# Altium PCB 10515.0500_Display_System（6拼版）_V1.0_20200907.PcbDoc (part 12 of 13) (continued)
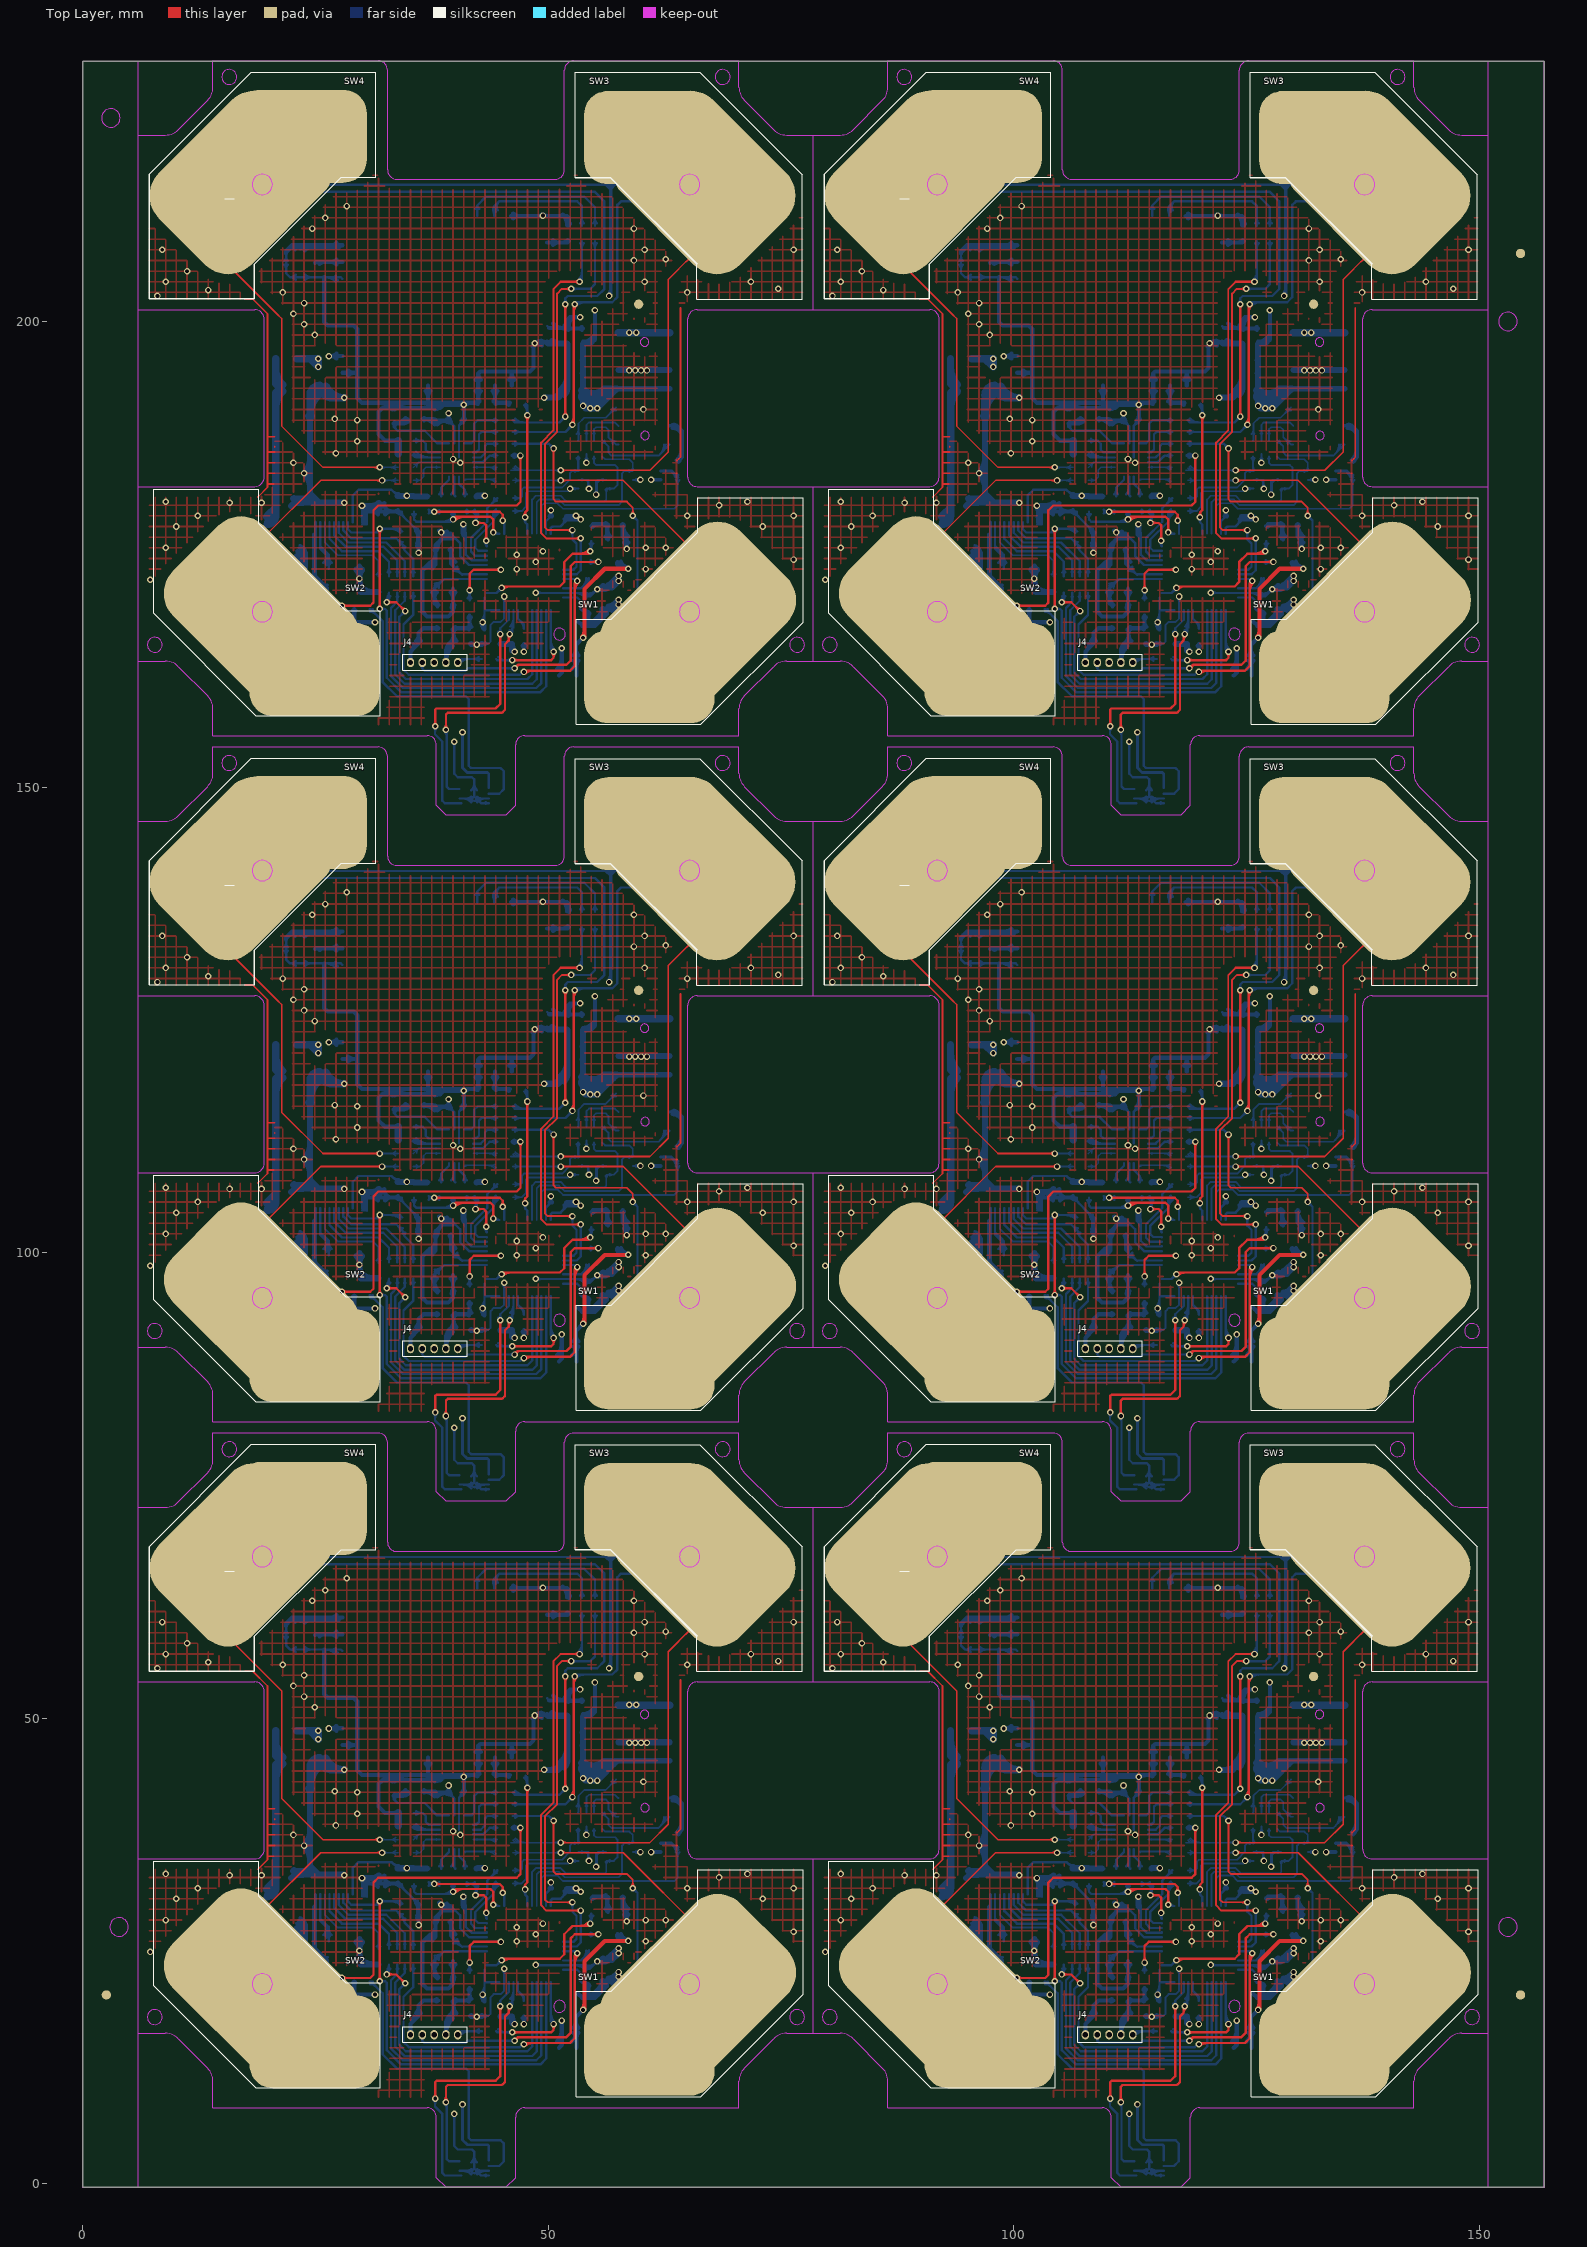
[diagram p0: Top Layer view]
## Nets (pads, with @x,y where several pads share a name; then routed paths per layer and width w, separated by ;. In a path a pad name is that pad's centre, name@x,y a point inside that pad or via, vN(x,y) a via of type N, cw(c..) or ccw(c..) an arc to the next point about the centre after c; other vN are vias at no path point) (continued)
; 56.307,97.737 v1(57.567,98.997) v1(57.567,98.465) ; 56.307,97.737 56.839,97.737 v1(57.567,98.465) ; 56.307,171.437 v1(57.567,172.697) v1(57.567,172.165) ; 56.307,171.437 56.839,171.437 v1(57.567,172.165) ; 96.158,33.147 96.603,33.591 ; 96.158,106.847 96.603,107.291 ; 96.158,180.547 96.603,180.991 ; 126.247,44.841 126.247,44.025 127.102,44.025 ; 126.247,118.541 126.247,117.725 127.102,117.725 ; 126.247,192.241 126.247,191.425 127.102,191.425 ; 127.102,44.025 128.495,45.418 ; 127.102,117.725 128.495,119.118 ; 127.102,191.425 128.495,192.818 ; 127.4,43.561 129.257,45.418 128.495,45.418 ; 127.4,117.261 129.257,119.118 128.495,119.118 ; 127.4,190.961 129.257,192.818 128.495,192.818 ; 128.807,24.037 v1(130.067,25.297) v1(130.067,24.765) ; 128.807,24.037 129.339,24.037 v1(130.067,24.765) ; 128.807,97.737 v1(130.067,98.997) v1(130.067,98.465) ; 128.807,97.737 129.339,97.737 v1(130.067,98.465) ; 128.807,171.437 v1(130.067,172.697) v1(130.067,172.165) ; 128.807,171.437 129.339,171.437 v1(130.067,172.165)
  Bottom Layer w0.8: 19.796,31.633 ccw(c19.729,32.639) 20.737,32.639 ; 19.796,105.333 ccw(c19.729,106.339) 20.737,106.339 ; 19.796,179.033 ccw(c19.729,180.039) 20.737,180.039 ; 19.849,30.835 ccw(c19.786,31.784) 20.737,31.784 ; 19.849,104.535 ccw(c19.786,105.484) 20.737,105.484 ; 19.849,178.235 ccw(c19.786,179.184) 20.737,179.184 ; 19.9,31.064 20.737,31.901 20.737,32.639 ; 19.9,31.801 20.737,32.639 ; 19.9,104.764 20.737,105.601 20.737,106.339 ; 19.9,105.501 20.737,106.339 ; 19.9,178.464 20.737,179.301 20.737,180.039 ; 19.9,179.201 20.737,180.039 ; 20.318,31.236 cw(c21.826,31.55) 20.737,32.639 ; 20.318,104.936 cw(c21.826,105.25) 20.737,106.339 ; 20.318,178.636 cw(c21.826,178.95) 20.737,180.039 ; 20.723,47.632 ccw(c23.286,47.632) 21.474,45.82 ; 20.723,48.641 20.723,45.963 21.22,45.466 20.737,44.983 20.737,42.799 20.737,32.639 ; 20.723,121.332 ccw(c23.286,121.332) 21.474,119.52 ; 20.723,122.341 20.723,119.663 21.22,119.166 20.737,118.683 20.737,116.499 20.737,106.339 ; 20.723,195.032 ccw(c23.286,195.032) 21.474,193.22 ; 20.723,196.041 20.723,193.363 21.22,192.866 20.737,192.383 20.737,190.199 20.737,180.039 ; 20.737,43.334 cw(c23.252,43.334) 21.474,45.112 ; 20.737,117.034 cw(c23.252,117.034) 21.474,118.812 ; 20.737,190.734 cw(c23.252,190.734) 21.474,192.512 ; 23.023,48.641 v1(25.309,48.641) v1(25.309,47.752) 24.42,48.641 ; 23.023,122.341 v1(25.309,122.341) v1(25.309,121.452) 24.42,122.341 ; 23.023,196.041 v1(25.309,196.041) v1(25.309,195.152) 24.42,196.041 ; 24.42,42.593 cw(c27.336,42.593) 25.759,45.045 ; 24.42,42.799 24.42,44.298 25.588,45.466 26.604,44.45 v1(28.103,44.45) cw(c28.103,46.631) 26.139,45.683 ; 24.42,43.883 cw(c25.503,43.883) 25.493,44.966 ; 24.42,44.059 cw(c26.393,44.059) 25.326,45.718 ; 24.42,44.691 cw(c25.495,44.691) 25.485,45.766 ; 24.42,116.293 cw(c27.336,116.293) 25.759,118.745 ; 24.42,116.499 24.42,117.998 25.588,119.166 26.604,118.15 v1(28.103,118.15) cw(c28.103,120.331) 26.139,119.383 ; 24.42,117.583 cw(c25.503,117.583) 25.493,118.666 ; 24.42,117.759 cw(c26.393,117.759) 25.326,119.418 ; 24.42,118.391 cw(c25.495,118.391) 25.485,119.466 ; 24.42,189.993 cw(c27.336,189.993) 25.759,192.445 ; 24.42,190.199 24.42,191.698 25.588,192.866 26.604,191.85 v1(28.103,191.85) cw(c28.103,194.031) 26.139,193.083 ; 24.42,191.283 cw(c25.503,191.283) 25.493,192.366 ; 24.42,191.459 cw(c26.393,191.459) 25.326,193.118 ; 24.42,192.091 cw(c25.495,192.091) 25.485,193.166 ; 24.564,44.442 ccw(c23.54,45.466) 24.988,45.466 ; 24.564,118.142 ccw(c23.54,119.166) 24.988,119.166 ; 24.564,191.842 ccw(c23.54,192.866) 24.988,192.866 ; 24.805,44.683 cw(c25.488,44) 25.488,44.966 ; 24.805,118.383 cw(c25.488,117.7) 25.488,118.666 ; 24.805,192.083 cw(c25.488,191.4) 25.488,192.366 ; 25.418,45.336 ccw(c26.829,46.016) 26.829,44.45 ; 25.418,119.036 ccw(c26.829,119.716) 26.829,118.15 ; 25.418,192.736 ccw(c26.829,193.416) 26.829,191.85 ; 25.688,44.966 cw(c25.688,44) 26.371,44.683 ; 25.688,118.666 cw(c25.688,117.7) 26.371,118.383 ; 25.688,192.366 cw(c25.688,191.4) 26.371,192.083 ; 26.188,45.444 ccw(c27.442,45.388) 26.554,44.5 ; 26.188,119.144 ccw(c27.442,119.088) 26.554,118.2 ; 26.188,192.844 ccw(c27.442,192.788) 26.554,191.9 ; 33.92,38.431 33.92,39.828 ; 33.92,112.131 33.92,113.528 ; 33.92,185.831 33.92,187.228 ; 57.542,51.416 63.054,51.416 ; 57.542,125.116 63.054,125.116 ; 57.542,198.816 63.054,198.816 ; 92.296,31.633 ccw(c92.229,32.639) 93.237,32.639 ; 92.296,105.333 ccw(c92.229,106.339) 93.237,106.339 ; 92.296,179.033 ccw(c92.229,180.039) 93.237,180.039 ; 92.349,30.835 ccw(c92.286,31.784) 93.237,31.784 ; 92.349,104.535 ccw(c92.286,105.484) 93.237,105.484 ; 92.349,178.235 ccw(c92.286,179.184) 93.237,179.184 ; 92.4,31.064 93.237,31.901 93.237,32.639 ; 92.4,31.801 93.237,32.639 ; 92.4,104.764 93.237,105.601 93.237,106.339 ; 92.4,105.501 93.237,106.339 ; 92.4,178.464 93.237,179.301 93.237,180.039 ; 92.4,179.201 93.237,180.039 ; 92.818,31.236 cw(c94.326,31.55) 93.237,32.639 ; 92.818,104.936 cw(c94.326,105.25) 93.237,106.339 ; 92.818,178.636 cw(c94.326,178.95) 93.237,180.039 ; 93.223,47.632 ccw(c95.786,47.632) 93.974,45.82 ; 93.223,48.641 93.223,45.963 93.72,45.466 93.237,44.983 93.237,42.799 93.237,32.639 ; 93.223,121.332 ccw(c95.786,121.332) 93.974,119.52 ; 93.223,122.341 93.223,119.663 93.72,119.166 93.237,118.683 93.237,116.499 93.237,106.339 ; 93.223,195.032 ccw(c95.786,195.032) 93.974,193.22 ; 93.223,196.041 93.223,193.363 93.72,192.866 93.237,192.383 93.237,190.199 93.237,180.039 ; 93.237,43.334 cw(c95.752,43.334) 93.974,45.112 ; 93.237,117.034 cw(c95.752,117.034) 93.974,118.812 ; 93.237,190.734 cw(c95.752,190.734) 93.974,192.512 ; 95.523,48.641 v1(97.809,48.641) v1(97.809,47.752) 96.92,48.641 ; 95.523,122.341 v1(97.809,122.341) v1(97.809,121.452) 96.92,122.341 ; 95.523,196.041 v1(97.809,196.041) v1(97.809,195.152) 96.92,196.041 ; 96.92,42.593 cw(c99.836,42.593) 98.259,45.045 ; 96.92,42.799 96.92,44.298 98.088,45.466 99.104,44.45 v1(100.603,44.45) cw(c100.603,46.631) 98.639,45.683 ; 96.92,43.883 cw(c98.003,43.883) 97.993,44.966 ; 96.92,44.059 cw(c98.893,44.059) 97.826,45.718 ; 96.92,44.691 cw(c97.995,44.691) 97.985,45.766 ; 96.92,116.293 cw(c99.836,116.293) 98.259,118.745 ; 96.92,116.499 96.92,117.998 98.088,119.166 99.104,118.15 v1(100.603,118.15) cw(c100.603,120.331) 98.639,119.383 ; 96.92,117.583 cw(c98.003,117.583) 97.993,118.666 ; 96.92,117.759 cw(c98.893,117.759) 97.826,119.418 ; 96.92,118.391 cw(c97.995,118.391) 97.985,119.466 ; 96.92,189.993 cw(c99.836,189.993) 98.259,192.445 ; 96.92,190.199 96.92,191.698 98.088,192.866 99.104,191.85 v1(100.603,191.85) cw(c100.603,194.031) 98.639,193.083 ; 96.92,191.283 cw(c98.003,191.283) 97.993,192.366 ; 96.92,191.459 cw(c98.893,191.459) 97.826,193.118 ; 96.92,192.091 cw(c97.995,192.091) 97.985,193.166 ; 97.064,44.442 ccw(c96.04,45.466) 97.488,45.466 ; 97.064,118.142 ccw(c96.04,119.166) 97.488,119.166 ; 97.064,191.842 ccw(c96.04,192.866) 97.488,192.866 ; 97.305,44.683 cw(c97.988,44) 97.988,44.966 ; 97.305,118.383 cw(c97.988,117.7) 97.988,118.666 ; 97.305,192.083 cw(c97.988,191.4) 97.988,192.366 ; 97.918,45.336 ccw(c99.329,46.016) 99.329,44.45 ; 97.918,119.036 ccw(c99.329,119.716) 99.329,118.15 ; 97.918,192.736 ccw(c99.329,193.416) 99.329,191.85 ; 98.188,44.966 cw(c98.188,44) 98.871,44.683 ; 98.188,118.666 cw(c98.188,117.7) 98.871,118.383 ; 98.188,192.366 cw(c98.188,191.4) 98.871,192.083 ; 98.688,45.444 ccw(c99.942,45.388) 99.054,44.5 ; 98.688,119.144 ccw(c99.942,119.088) 99.054,118.2 ; 98.688,192.844 ccw(c99.942,192.788) 99.054,191.9 ; 106.42,38.431 106.42,39.828 ; 106.42,112.131 106.42,113.528 ; 106.42,185.831 106.42,187.228 ; 130.042,51.416 135.554,51.416 ; 130.042,125.116 135.554,125.116 ; 130.042,198.816 135.554,198.816
  other v1: 39.025,8.763 111.525,8.763 47.407,14.986 119.907,14.986 46.391,17.145 118.891,17.145 42.327,17.921 114.827,17.921 45.883,19.05 118.383,19.05 42.962,20.32 115.462,20.32 7.275,24.892 79.775,24.892 46.645,26.035 60.488,26.035 119.145,26.035 132.988,26.035 48.677,26.797 121.177,26.797 76.363,27.051 148.863,27.051 46.645,27.559 119.145,27.559 49.439,27.94 121.939,27.94 8.926,28.321 60.488,28.321 62.647,28.321 81.426,28.321 132.988,28.321 135.147,28.321 10.069,30.607 73.061,30.607 82.569,30.607 145.561,30.607 12.355,31.75 64.933,31.75 76.363,31.75 84.855,31.75 137.433,31.75 148.863,31.75 37.755,32.194 110.255,32.194 68.362,32.893 140.862,32.893 15.784,33.147 19.213,33.147 28.103,33.147 88.284,33.147 91.713,33.147 100.603,33.147 8.926,33.274 71.41,33.274 81.426,33.274 143.91,33.274 54.392,34.671 126.892,34.671 23.785,36.322 96.285,36.322 22.642,37.465 40.549,37.465 95.142,37.465 113.049,37.465 39.787,37.846 112.287,37.846 27.214,38.481 99.714,38.481 29.5,39.751 102,39.751 29.5,42.037 102,42.037 27.087,42.164 99.587,42.164 60.234,43.18 132.734,43.18 59.98,47.371 132.48,47.371 24.928,51.181 97.428,51.181 23.785,52.324 96.285,52.324 22.642,53.467 95.142,53.467 23.785,54.61 96.285,54.61 8.037,55.372 80.537,55.372 21.499,55.753 64.933,55.753 93.999,55.753 137.433,55.753 13.498,56.007 85.998,56.007 74.712,56.134 147.212,56.134 8.926,56.896 60.361,56.896 71.791,56.896 81.426,56.896 132.861,56.896 144.291,56.896 11.212,58.039 83.712,58.039 59.218,59.182 131.718,59.182 62.647,59.309 135.147,59.309 8.545,60.325 60.361,60.325 76.363,60.325 81.045,60.325 132.861,60.325 148.863,60.325 24.674,62.611 59.218,62.611 97.174,62.611 131.718,62.611 26.071,63.754 98.571,63.754 28.357,65.024 100.857,65.024 39.025,82.463 111.525,82.463 47.407,88.686 119.907,88.686 46.391,90.845 118.891,90.845 42.327,91.621 114.827,91.621 45.883,92.75 118.383,92.75 42.962,94.02 115.462,94.02 7.275,98.592 79.775,98.592 46.645,99.735 60.488,99.735 119.145,99.735 132.988,99.735 48.677,100.497 121.177,100.497 76.363,100.751 148.863,100.751 46.645,101.259 119.145,101.259 49.439,101.64 121.939,101.64 8.926,102.021 60.488,102.021 62.647,102.021 81.426,102.021 132.988,102.021 135.147,102.021 10.069,104.307 73.061,104.307 82.569,104.307 145.561,104.307 12.355,105.45 64.933,105.45 76.363,105.45 84.855,105.45 137.433,105.45 148.863,105.45 37.755,105.894 110.255,105.894 68.362,106.593 140.862,106.593 15.784,106.847 19.213,106.847 28.103,106.847 88.284,106.847 91.713,106.847 100.603,106.847 8.926,106.974 71.41,106.974 81.426,106.974 143.91,106.974 54.392,108.371 126.892,108.371 23.785,110.022 96.285,110.022 22.642,111.165 40.549,111.165 95.142,111.165 113.049,111.165 39.787,111.546 112.287,111.546 27.214,112.181 99.714,112.181 29.5,113.451 102,113.451 29.5,115.737 102,115.737 27.087,115.864 99.587,115.864 60.234,116.88 132.734,116.88 59.98,121.071 132.48,121.071 24.928,124.881 97.428,124.881 23.785,126.024 96.285,126.024 22.642,127.167 95.142,127.167 23.785,128.31 96.285,128.31 8.037,129.072 80.537,129.072 21.499,129.453 64.933,129.453 93.999,129.453 137.433,129.453 13.498,129.707 85.998,129.707 74.712,129.834 147.212,129.834 8.926,130.596 60.361,130.596 71.791,130.596 81.426,130.596 132.861,130.596 144.291,130.596 11.212,131.739 83.712,131.739 59.218,132.882 131.718,132.882 62.647,133.009 135.147,133.009 8.545,134.025 60.361,134.025 76.363,134.025 81.045,134.025 132.861,134.025 148.863,134.025 24.674,136.311 59.218,136.311 97.174,136.311 131.718,136.311 26.071,137.454 98.571,137.454 28.357,138.724 100.857,138.724 39.025,156.163 111.525,156.163 47.407,162.386 119.907,162.386 46.391,164.545 118.891,164.545 42.327,165.321 114.827,165.321 45.883,166.45 118.383,166.45 42.962,167.72 115.462,167.72 7.275,172.292 79.775,172.292 46.645,173.435 60.488,173.435 119.145,173.435 132.988,173.435 48.677,174.197 121.177,174.197 76.363,174.451 148.863,174.451 46.645,174.959 119.145,174.959 49.439,175.34 121.939,175.34 8.926,175.721 60.488,175.721 62.647,175.721 81.426,175.721 132.988,175.721 135.147,175.721 10.069,178.007 73.061,178.007 82.569,178.007 145.561,178.007 12.355,179.15 64.933,179.15 76.363,179.15 84.855,179.15 137.433,179.15 148.863,179.15 37.755,179.594 110.255,179.594 68.362,180.293 140.862,180.293 15.784,180.547 19.213,180.547 28.103,180.547 88.284,180.547 91.713,180.547 100.603,180.547 8.926,180.674 71.41,180.674 81.426,180.674 143.91,180.674 54.392,182.071 126.892,182.071 23.785,183.722 96.285,183.722 22.642,184.865 40.549,184.865 95.142,184.865 113.049,184.865 39.787,185.246 112.287,185.246 27.214,185.881 99.714,185.881 29.5,187.151 102,187.151 29.5,189.437 102,189.437 27.087,189.564 99.587,189.564 60.234,190.58 132.734,190.58 59.98,194.771 132.48,194.771 24.928,198.581 97.428,198.581 23.785,199.724 96.285,199.724 22.642,200.867 95.142,200.867 23.785,202.01 96.285,202.01 8.037,202.772 80.537,202.772 21.499,203.153 64.933,203.153 93.999,203.153 137.433,203.153 13.498,203.407 85.998,203.407 74.712,203.534 147.212,203.534 8.926,204.296 60.361,204.296 71.791,204.296 81.426,204.296 132.861,204.296 144.291,204.296 11.212,205.439 83.712,205.439 59.218,206.582 131.718,206.582 62.647,206.709 135.147,206.709 8.545,207.725 60.361,207.725 76.363,207.725 81.045,207.725 132.861,207.725 148.863,207.725 24.674,210.011 59.218,210.011 97.174,210.011 131.718,210.011 26.071,211.154 98.571,211.154 28.357,212.424 100.857,212.424

## Polygon pours and split planes (outlines as drawn)
no net on Top Layer "Top Layer-No Net" (hatched 90Degree grid 1.143 track 0.178, remove dead copper, pour order 1005): 71.739,222.762 70.145,228.43 52.006,228.299 51.395,217.631 51.395,217.504 31.813,217.504 31.813,228.045 13.645,228.43 13.652,224.997 11.675,222.646 5.325,216.296 5.325,156.484 5.944,155.865 69.825,155.865 77.825,163.865 77.825,220.365
no net on Top Layer "Top Layer-No Net" (hatched 90Degree grid 1.143 track 0.178, remove dead copper, pour order 1005): 71.739,149.062 70.145,154.73 52.006,154.599 51.395,143.931 51.395,143.804 31.813,143.804 31.813,154.345 13.645,154.73 13.652,151.297 11.675,148.946 5.325,142.596 5.325,82.784 5.944,82.165 69.825,82.165 77.825,90.165 77.825,146.665
no net on Top Layer "Top Layer-No Net" (hatched 90Degree grid 1.143 track 0.178, remove dead copper, pour order 1005): 71.739,75.362 70.145,81.03 52.006,80.899 51.395,70.231 51.395,70.104 31.813,70.104 31.813,80.645 13.645,81.03 13.652,77.597 11.675,75.246 5.325,68.896 5.325,9.084 5.944,8.465 69.825,8.465 77.825,16.465 77.825,72.965
no net on Top Layer "Top Layer-No Net" (hatched 90Degree grid 1.143 track 0.178, remove dead copper, pour order 1005): 144.239,222.762 142.645,228.43 124.506,228.299 123.895,217.631 123.895,217.504 104.313,217.504 104.313,228.045 86.145,228.43 86.152,224.997 84.175,222.646 77.825,216.296 77.825,156.484 78.444,155.865 142.325,155.865 150.325,163.865 150.325,220.365
no net on Top Layer "Top Layer-No Net" (hatched 90Degree grid 1.143 track 0.178, remove dead copper, pour order 1005): 144.239,149.062 142.645,154.73 124.506,154.599 123.895,143.931 123.895,143.804 104.313,143.804 104.313,154.345 86.145,154.73 86.152,151.297 84.175,148.946 77.825,142.596 77.825,82.784 78.444,82.165 142.325,82.165 150.325,90.165 150.325,146.665
no net on Top Layer "Top Layer-No Net" (hatched 90Degree grid 1.143 track 0.178, remove dead copper, pour order 1005): 144.239,75.362 142.645,81.03 124.506,80.899 123.895,70.231 123.895,70.104 104.313,70.104 104.313,80.645 86.145,81.03 86.152,77.597 84.175,75.246 77.825,68.896 77.825,9.084 78.444,8.465 142.325,8.465 150.325,16.465 150.325,72.965
no net on Mid-Layer 2 "Top Layer-No Net" (hatched 90Degree grid 0.68 track 0.17, remove dead copper, pour order 1005): 72.439,222.867 70.14,224.743 70.013,225.251 52.868,225.251 52.868,217.758 31.405,217.631 31.405,225.505 15.149,225.505 14.641,224.997 12.375,222.752 6.025,216.402 6.025,156.59 6.644,155.97 70.525,155.97 78.525,163.97 78.525,220.47
no net on Mid-Layer 2 "Top Layer-No Net" (hatched 90Degree grid 0.68 track 0.17, remove dead copper, pour order 1005): 72.439,149.167 70.14,151.043 70.013,151.551 52.868,151.551 52.868,144.058 31.405,143.931 31.405,151.805 15.149,151.805 14.641,151.297 12.375,149.052 6.025,142.702 6.025,82.89 6.644,82.27 70.525,82.27 78.525,90.27 78.525,146.77
no net on Mid-Layer 2 "Top Layer-No Net" (hatched 90Degree grid 0.68 track 0.17, remove dead copper, pour order 1005): 72.439,75.467 70.14,77.343 70.013,77.851 52.868,77.851 52.868,70.358 31.405,70.231 31.405,78.105 15.149,78.105 14.641,77.597 12.375,75.352 6.025,69.002 6.025,9.19 6.644,8.57 70.525,8.57 78.525,16.57 78.525,73.07
no net on Mid-Layer 2 "Top Layer-No Net" (hatched 90Degree grid 0.68 track 0.17, remove dead copper, pour order 1005): 144.939,222.867 142.64,224.743 142.513,225.251 125.368,225.251 125.368,217.758 103.905,217.631 103.905,225.505 87.649,225.505 87.141,224.997 84.875,222.752 78.525,216.402 78.525,156.59 79.144,155.97 143.025,155.97 151.025,163.97 151.025,220.47
no net on Mid-Layer 2 "Top Layer-No Net" (hatched 90Degree grid 0.68 track 0.17, remove dead copper, pour order 1005): 144.939,149.167 142.64,151.043 142.513,151.551 125.368,151.551 125.368,144.058 103.905,143.931 103.905,151.805 87.649,151.805 87.141,151.297 84.875,149.052 78.525,142.702 78.525,82.89 79.144,82.27 143.025,82.27 151.025,90.27 151.025,146.77
no net on Mid-Layer 2 "Top Layer-No Net" (hatched 90Degree grid 0.68 track 0.17, remove dead copper, pour order 1005): 144.939,75.467 142.64,77.343 142.513,77.851 125.368,77.851 125.368,70.358 103.905,70.231 103.905,78.105 87.649,78.105 87.141,77.597 84.875,75.352 78.525,69.002 78.525,9.19 79.144,8.57 143.025,8.57 151.025,16.57 151.025,73.07
no net on Mid-Layer 1 "Top Layer-No Net 1" (hatched 90Degree grid 1 track 0.17, remove dead copper, pour order 1000): 26.833,210.773 57.567,210.773 63.79,204.291 63.79,177.171 59.472,172.673 26.579,172.673 21.372,178.097 21.372,205.084 26.833,210.773
no net on Mid-Layer 1 "Top Layer-No Net 1" (hatched 90Degree grid 1 track 0.17, remove dead copper, pour order 1000): 26.833,137.073 57.567,137.073 63.79,130.591 63.79,103.471 59.472,98.973 26.579,98.973 21.372,104.397 21.372,131.384 26.833,137.073
no net on Mid-Layer 1 "Top Layer-No Net 1" (hatched 90Degree grid 1 track 0.17, remove dead copper, pour order 1000): 26.833,63.373 57.567,63.373 63.79,56.891 63.79,29.771 59.472,25.273 26.579,25.273 21.372,30.697 21.372,57.684 26.833,63.373
no net on Mid-Layer 1 "Top Layer-No Net 1" (hatched 90Degree grid 1 track 0.17, remove dead copper, pour order 1000): 99.333,210.773 130.067,210.773 136.29,204.291 136.29,177.171 131.972,172.673 99.079,172.673 93.872,178.097 93.872,205.084 99.333,210.773
no net on Mid-Layer 1 "Top Layer-No Net 1" (hatched 90Degree grid 1 track 0.17, remove dead copper, pour order 1000): 99.333,137.073 130.067,137.073 136.29,130.591 136.29,103.471 131.972,98.973 99.079,98.973 93.872,104.397 93.872,131.384 99.333,137.073
no net on Mid-Layer 1 "Top Layer-No Net 1" (hatched 90Degree grid 1 track 0.17, remove dead copper, pour order 1000): 99.333,63.373 130.067,63.373 136.29,56.891 136.29,29.771 131.972,25.273 99.079,25.273 93.872,30.697 93.872,57.684 99.333,63.373

## Keep-outs
Keep-Out Layer:
  circle w0.127: c60.411,187.786 r0.458
  circle w0.127: c60.361,197.819 r0.458
  circle w0.127: c19.3,168.849 r1.1
  circle w0.127: c65.2,168.849 r1.1
  circle w0.127: c68.75,226.299 r0.8
  circle w0.127: c76.75,165.299 r0.8
  circle w0.127: c15.75,226.299 r0.8
  circle w0.127: c7.75,165.299 r0.8
  circle w0.127: c65.2,214.749 r1.1
  circle w0.127: c65.2,168.849 r1.1
  circle w0.127: c19.3,214.749 r1.1
  circle w0.1: c51.217,166.45 r0.635
  circle w0.127: c60.411,114.086 r0.458
  circle w0.127: c60.361,124.119 r0.458
  circle w0.127: c19.3,95.149 r1.1
  circle w0.127: c65.2,95.149 r1.1
  circle w0.127: c68.75,152.599 r0.8
  circle w0.127: c76.75,91.599 r0.8
  circle w0.127: c15.75,152.599 r0.8
  circle w0.127: c7.75,91.599 r0.8
  circle w0.127: c65.2,141.049 r1.1
  circle w0.127: c65.2,95.149 r1.1
  circle w0.127: c19.3,141.049 r1.1
  circle w0.1: c51.217,92.75 r0.635
  circle w0.127: c60.411,40.386 r0.458
  circle w0.127: c60.361,50.419 r0.458
  circle w0.127: c19.3,21.449 r1.1
  circle w0.127: c65.2,21.449 r1.1
  circle w0.127: c68.75,78.899 r0.8
  circle w0.127: c76.75,17.899 r0.8
  circle w0.127: c15.75,78.899 r0.8
  circle w0.127: c7.75,17.899 r0.8
  circle w0.127: c65.2,67.349 r1.1
  circle w0.127: c65.2,21.449 r1.1
  circle w0.127: c19.3,67.349 r1.1
  circle w0.1: c51.217,19.05 r0.635
  circle w0.127: c132.911,187.786 r0.458
  circle w0.127: c132.861,197.819 r0.458
  circle w0.127: c91.8,168.849 r1.1
  circle w0.127: c137.7,168.849 r1.1
  circle w0.127: c141.25,226.299 r0.8
  circle w0.127: c149.25,165.299 r0.8
  circle w0.127: c88.25,226.299 r0.8
  circle w0.127: c80.25,165.299 r0.8
  circle w0.127: c137.7,214.749 r1.1
  circle w0.127: c137.7,168.849 r1.1
  circle w0.127: c91.8,214.749 r1.1
  circle w0.1: c123.717,166.45 r0.635
  circle w0.127: c132.911,114.086 r0.458
  circle w0.127: c132.861,124.119 r0.458
  circle w0.127: c91.8,95.149 r1.1
  circle w0.127: c137.7,95.149 r1.1
  circle w0.127: c141.25,152.599 r0.8
  circle w0.127: c149.25,91.599 r0.8
  circle w0.127: c88.25,152.599 r0.8
  circle w0.127: c80.25,91.599 r0.8
  circle w0.127: c137.7,141.049 r1.1
  circle w0.127: c137.7,95.149 r1.1
  circle w0.127: c91.8,141.049 r1.1
  circle w0.1: c123.717,92.75 r0.635
  circle w0.127: c132.911,40.386 r0.458
  circle w0.127: c132.861,50.419 r0.458
  circle w0.127: c91.8,21.449 r1.1
  circle w0.127: c137.7,21.449 r1.1
  circle w0.127: c141.25,78.899 r0.8
  circle w0.127: c149.25,17.899 r0.8
  circle w0.127: c88.25,78.899 r0.8
  circle w0.127: c80.25,17.899 r0.8
  circle w0.127: c137.7,67.349 r1.1
  circle w0.127: c137.7,21.449 r1.1
  circle w0.127: c91.8,67.349 r1.1
  circle w0.1: c123.717,19.05 r0.635
  circle w0.127: c3.913,27.58 r1
  circle w0.127: c153.087,200.032 r1
  circle w0.127: c153.087,27.58 r1
  circle w0.127: c3.024,221.89 r1
  lines w0.127: 6,-0.394 6,228.006 ; 31.75,80.629 cw(c31.75,79.629) 32.75,79.629 32.75,68.911 ccw(c33.75,68.911) 33.75,67.911 50.75,67.911 ccw(c50.75,68.911) 51.75,68.911 51.75,79.629 cw(c52.75,79.629) 52.75,80.629 ; 31.75,80.649 14,80.649 14,77.788 cw(c12,77.788) 13.414,76.374 10.275,73.234 cw(c8.86,74.649) 8.86,72.649 6,72.649 6,53.899 18.5,53.899 cw(c18.5,52.899) 19.5,52.899 19.5,35.899 cw(c18.5,35.899) 18.5,34.899 6,34.899 6,16.149 8.86,16.149 cw(c8.86,14.149) 10.275,15.563 13.414,12.423 cw(c12,11.009) 14,11.009 14,8.149 37,8.149 cw(c37,7.149) 38,7.149 38,0.649 39,-0.351 45.5,-0.351 46.5,0.649 46.5,7.149 cw(c47.5,7.149) 47.5,8.149 70.5,8.149 70.5,11.009 cw(c72.5,11.009) 71.086,12.423 74.225,15.563 cw(c75.64,14.149) 75.64,16.149 78.5,16.149 ; 31.75,154.329 cw(c31.75,153.329) 32.75,153.329 32.75,142.611 ccw(c33.75,142.611) 33.75,141.611 50.75,141.611 ccw(c50.75,142.611) 51.75,142.611 51.75,153.329 cw(c52.75,153.329) 52.75,154.329 ; 31.75,154.349 14,154.349 14,151.488 cw(c12,151.488) 13.414,150.074 10.275,146.934 cw(c8.86,148.349) 8.86,146.349 6,146.349 6,127.599 18.5,127.599 cw(c18.5,126.599) 19.5,126.599 19.5,109.599 cw(c18.5,109.599) 18.5,108.599 6,108.599 6,89.849 8.86,89.849 cw(c8.86,87.849) 10.275,89.263 13.414,86.123 cw(c12,84.709) 14,84.709 14,81.849 37,81.849 cw(c37,80.849) 38,80.849 38,74.349 39,73.349 45.5,73.349 46.5,74.349 46.5,80.849 cw(c47.5,80.849) 47.5,81.849 70.5,81.849 70.5,84.709 cw(c72.5,84.709) 71.086,86.123 74.225,89.263 cw(c75.64,87.849) 75.64,89.849 78.5,89.849 ; 31.75,228.029 cw(c31.75,227.029) 32.75,227.029 32.75,216.311 ccw(c33.75,216.311) 33.75,215.311 50.75,215.311 ccw(c50.75,216.311) 51.75,216.311 51.75,227.029 cw(c52.75,227.029) 52.75,228.029 ; 31.75,228.049 14,228.049 14,225.188 cw(c12,225.188) 13.414,223.774 10.275,220.634 cw(c8.86,222.049) 8.86,220.049 6,220.049 6,201.299 18.5,201.299 cw(c18.5,200.299) 19.5,200.299 19.5,183.299 cw(c18.5,183.299) 18.5,182.299 6,182.299 6,163.549 8.86,163.549 cw(c8.86,161.549) 10.275,162.963 13.414,159.823 cw(c12,158.409) 14,158.409 14,155.549 37,155.549 cw(c37,154.549) 38,154.549 38,148.049 39,147.049 45.5,147.049 46.5,148.049 46.5,154.549 cw(c47.5,154.549) 47.5,155.549 70.5,155.549 70.5,158.409 cw(c72.5,158.409) 71.086,159.823 74.225,162.963 cw(c75.64,161.549) 75.64,163.549 78.5,163.549 ; 52.75,80.649 70.5,80.649 70.5,77.788 ccw(c72.5,77.788) 71.086,76.374 74.225,73.234 ccw(c75.64,74.649) 75.64,72.649 78.5,72.649 ; 52.75,154.349 70.5,154.349 70.5,151.488 ccw(c72.5,151.488) 71.086,150.074 74.225,146.934 ccw(c75.64,148.349) 75.64,146.349 78.5,146.349 ; 52.75,228.049 70.5,228.049 70.5,225.188 ccw(c72.5,225.188) 71.086,223.774 74.225,220.634 ccw(c75.64,222.049) 75.64,220.049 78.5,220.049 ; 104.25,80.629 cw(c104.25,79.629) 105.25,79.629 105.25,68.911 ccw(c106.25,68.911) 106.25,67.911 123.25,67.911 ccw(c123.25,68.911) 124.25,68.911 124.25,79.629 cw(c125.25,79.629) 125.25,80.629 ; 104.25,80.649 86.5,80.649 86.5,77.788 cw(c84.5,77.788) 85.914,76.374 82.775,73.234 cw(c81.36,74.649) 81.36,72.649 78.5,72.649 ; 104.25,154.329 cw(c104.25,153.329) 105.25,153.329 105.25,142.611 ccw(c106.25,142.611) 106.25,141.611 123.25,141.611 ccw(c123.25,142.611) 124.25,142.611 124.25,153.329 cw(c125.25,153.329) 125.25,154.329 ; 104.25,154.349 86.5,154.349 86.5,151.488 cw(c84.5,151.488) 85.914,150.074 82.775,146.934 cw(c81.36,148.349) 81.36,146.349 78.5,146.349 ; 104.25,228.029 cw(c104.25,227.029) 105.25,227.029 105.25,216.311 ccw(c106.25,216.311) 106.25,215.311 123.25,215.311 ccw(c123.25,216.311) 124.25,216.311 124.25,227.029 cw(c125.25,227.029) 125.25,228.029 ; 104.25,228.049 86.5,228.049 86.5,225.188 cw(c84.5,225.188) 85.914,223.774 82.775,220.634 cw(c81.36,222.049) 81.36,220.049 78.5,220.049 ; 125.25,80.649 143,80.649 143,77.788 ccw(c145,77.788) 143.586,76.374 146.725,73.234 ccw(c148.14,74.649) 148.14,72.649 151,72.649 151,53.899 138.5,53.899 ccw(c138.5,52.899) 137.5,52.899 137.5,35.899 ccw(c138.5,35.899) 138.5,34.899 151,34.899 151,16.149 148.14,16.149 ccw(c148.14,14.149) 146.725,15.563 143.586,12.423 ccw(c145,11.009) 143,11.009 143,8.149 120,8.149 ccw(c120,7.149) 119,7.149 119,0.649 118,-0.351 111.5,-0.351 110.5,0.649 110.5,7.149 ccw(c109.5,7.149) 109.5,8.149 86.5,8.149 86.5,11.009 ccw(c84.5,11.009) 85.914,12.423 82.775,15.563 ccw(c81.36,14.149) 81.36,16.149 78.5,16.149 ; 125.25,154.349 143,154.349 143,151.488 ccw(c145,151.488) 143.586,150.074 146.725,146.934 ccw(c148.14,148.349) 148.14,146.349 151,146.349 151,127.599 138.5,127.599 ccw(c138.5,126.599) 137.5,126.599 137.5,109.599 ccw(c138.5,109.599) 138.5,108.599 151,108.599 151,89.849 148.14,89.849 ccw(c148.14,87.849) 146.725,89.263 143.586,86.123 ccw(c145,84.709) 143,84.709 143,81.849 120,81.849 ccw(c120,80.849) 119,80.849 119,74.349 118,73.349 111.5,73.349 110.5,74.349 110.5,80.849 ccw(c109.5,80.849) 109.5,81.849 86.5,81.849 86.5,84.709 ccw(c84.5,84.709) 85.914,86.123 82.775,89.263 ccw(c81.36,87.849) 81.36,89.849 78.5,89.849 ; 125.25,228.049 143,228.049 143,225.188 ccw(c145,225.188) 143.586,223.774 146.725,220.634 ccw(c148.14,222.049) 148.14,220.049 151,220.049 151,201.299 138.5,201.299 ccw(c138.5,200.299) 137.5,200.299 137.5,183.299 ccw(c138.5,183.299) 138.5,182.299 151,182.299 151,163.549 148.14,163.549 ccw(c148.14,161.549) 146.725,162.963 143.586,159.823 ccw(c145,158.409) 143,158.409 143,155.549 120,155.549 ccw(c120,154.549) 119,154.549 119,148.049 118,147.049 111.5,147.049 110.5,148.049 110.5,154.549 ccw(c109.5,154.549) 109.5,155.549 86.5,155.549 86.5,158.409 ccw(c84.5,158.409) 85.914,159.823 82.775,162.963 ccw(c81.36,161.549) 81.36,163.549 78.5,163.549 ; 151,-0.394 151,228.006 ; 78.5,16.149 78.5,34.899 ; 78.5,16.149 78.5,34.899 ; 78.5,34.899 66,34.899 cw(c66,35.899) 65,35.899 65,52.899 cw(c66,52.899) 66,53.899 78.5,53.899 ; 78.5,34.899 91,34.899 ccw(c91,35.899) 92,35.899 92,52.899 ccw(c91,52.899) 91,53.899 78.5,53.899 ; 78.5,53.899 78.5,72.649 ; 78.5,53.899 78.5,72.649 ; 78.5,89.849 78.5,108.599 ; 78.5,89.849 78.5,108.599 ; 78.5,108.599 66,108.599 cw(c66,109.599) 65,109.599 65,126.599 cw(c66,126.599) 66,127.599 78.5,127.599 ; 78.5,108.599 91,108.599 ccw(c91,109.599) 92,109.599 92,126.599 ccw(c91,126.599) 91,127.599 78.5,127.599 ; 78.5,127.599 78.5,146.349 ; 78.5,127.599 78.5,146.349 ; 78.5,163.549 78.5,182.299 ; 78.5,163.549 78.5,182.299 ; 78.5,182.299 66,182.299 cw(c66,183.299) 65,183.299 65,200.299 cw(c66,200.299) 66,201.299 78.5,201.299 ; 78.5,182.299 91,182.299 ccw(c91,183.299) 92,183.299 92,200.299 ccw(c91,200.299) 91,201.299 78.5,201.299 ; 78.5,201.299 78.5,220.049 ; 78.5,201.299 78.5,220.049 ; 0,-0.394 0,228.006 157,228.006 157,-0.394 0,-0.394